# Altium PCB ESP32-SIM800C_Nhut_Hoang.PcbDoc (part 1 of 2)
Units mm, origin at the board's own origin, x right, y up, seen from the top; angles counter-clockwise.
Board outline 157.99 x 100.2 mm, 4 copper layers (Top, POWER, GND, Bottom), stack 0.603 mm thick; 145 components, 93 nets, 480 pads, 241 vias.
Unrouted connection lines stored in the file: 3.
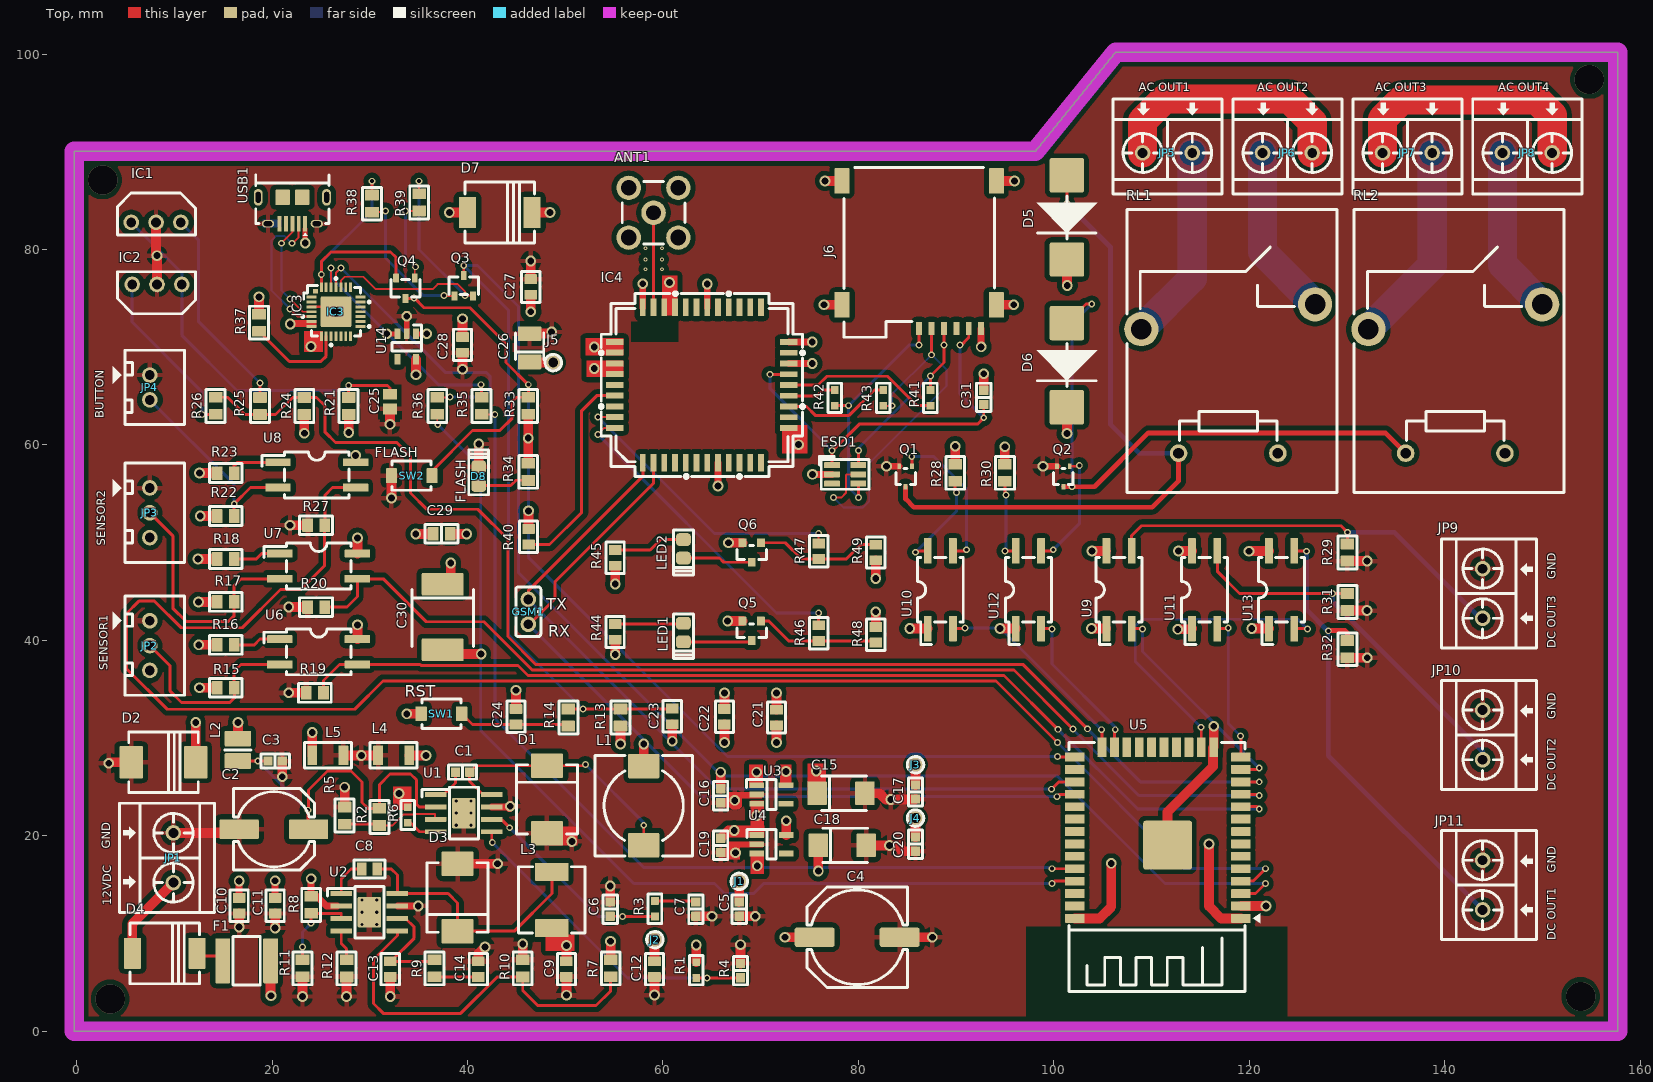
[diagram p0: Top view]
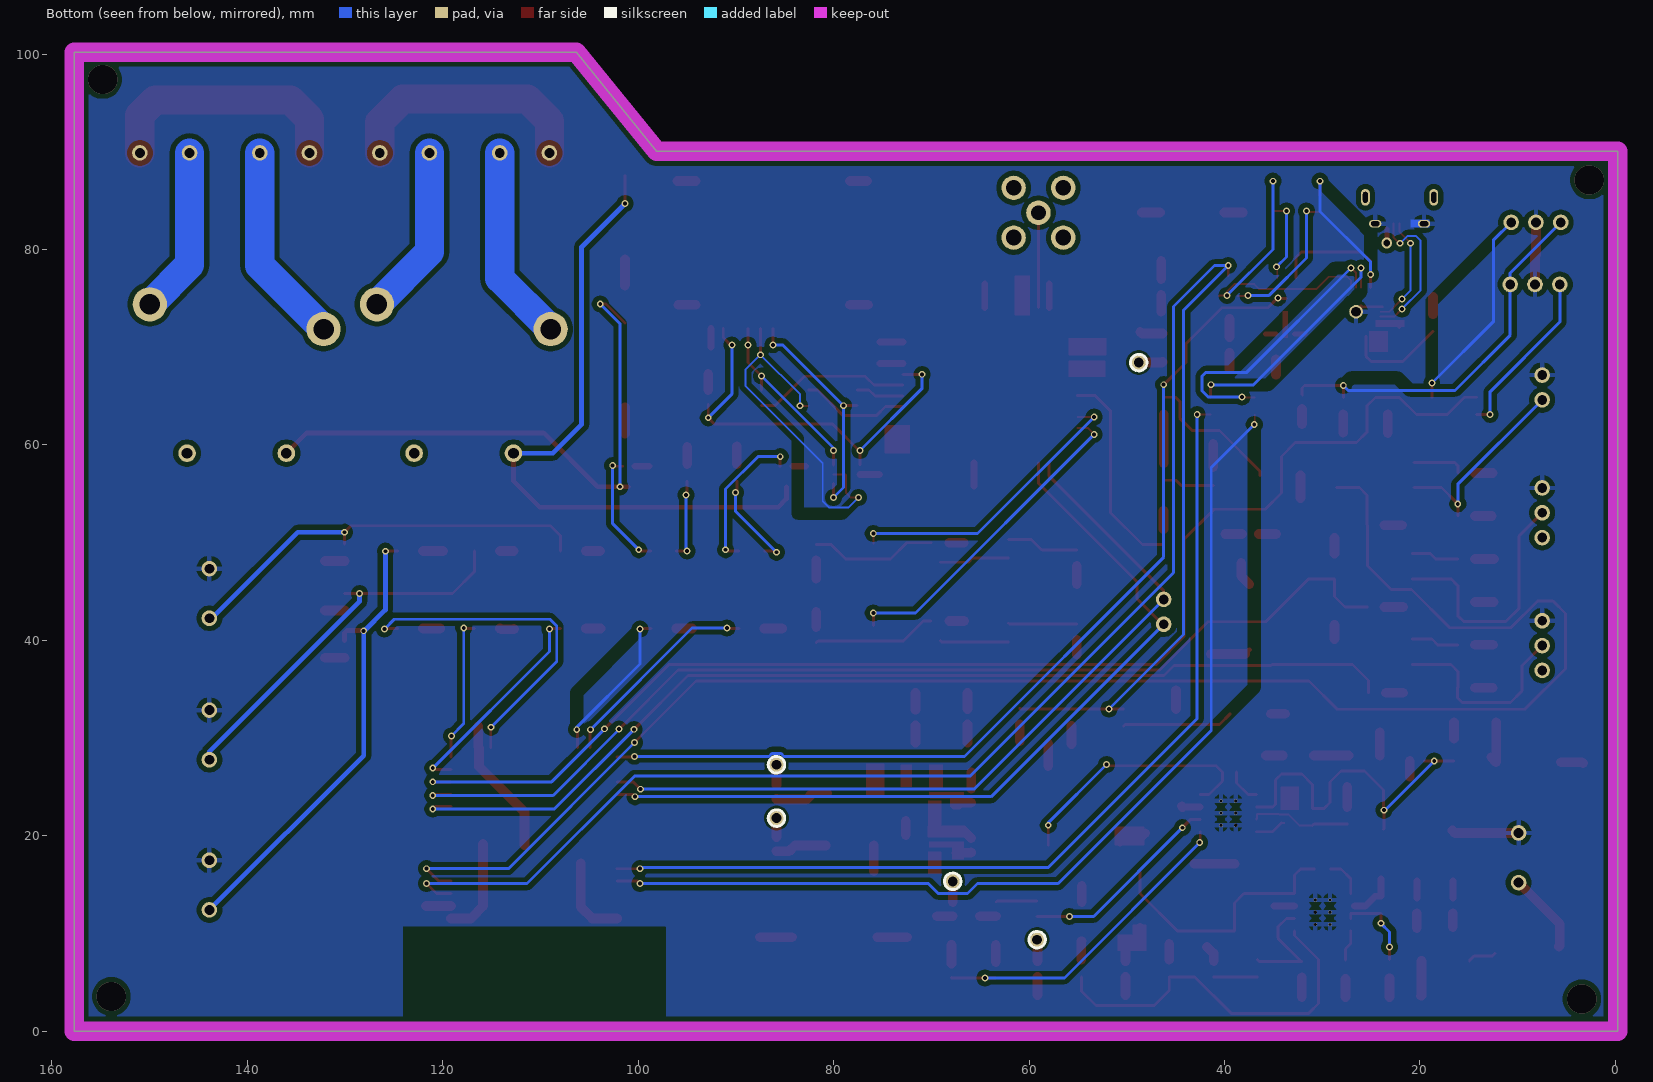
[diagram p1: Bottom view, seen from below]
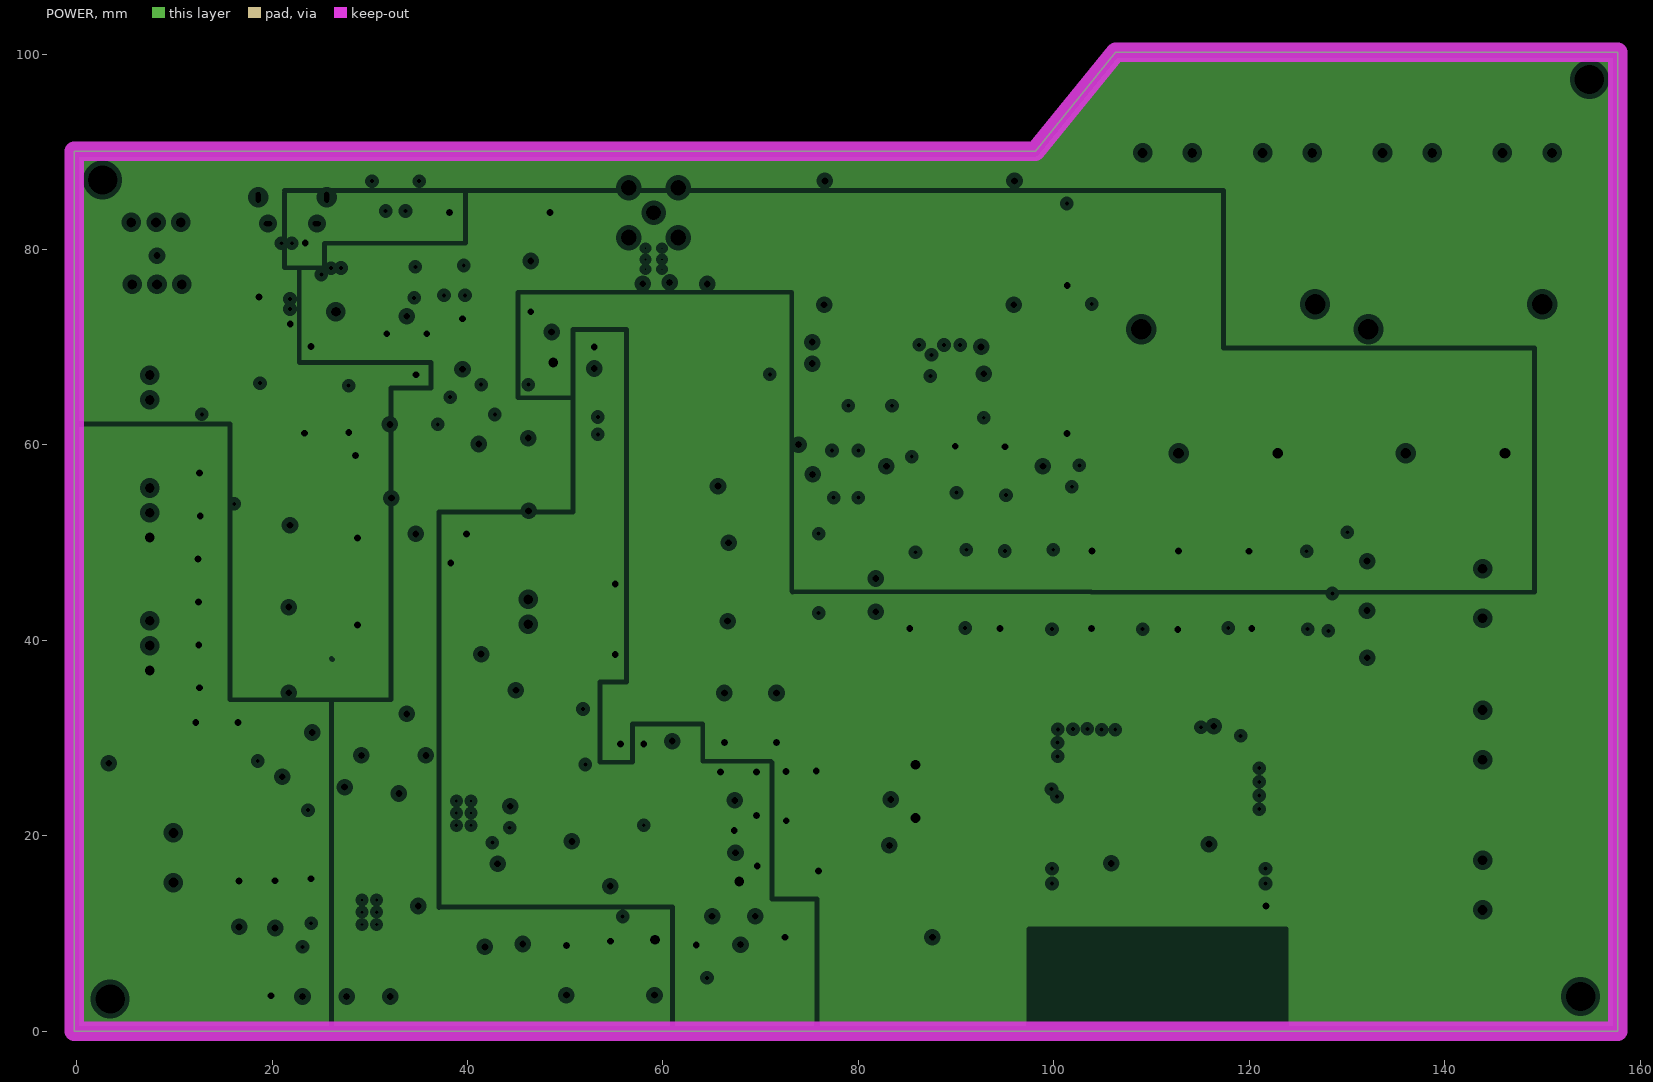
[diagram p2: POWER, clearances drawn from the general rule]
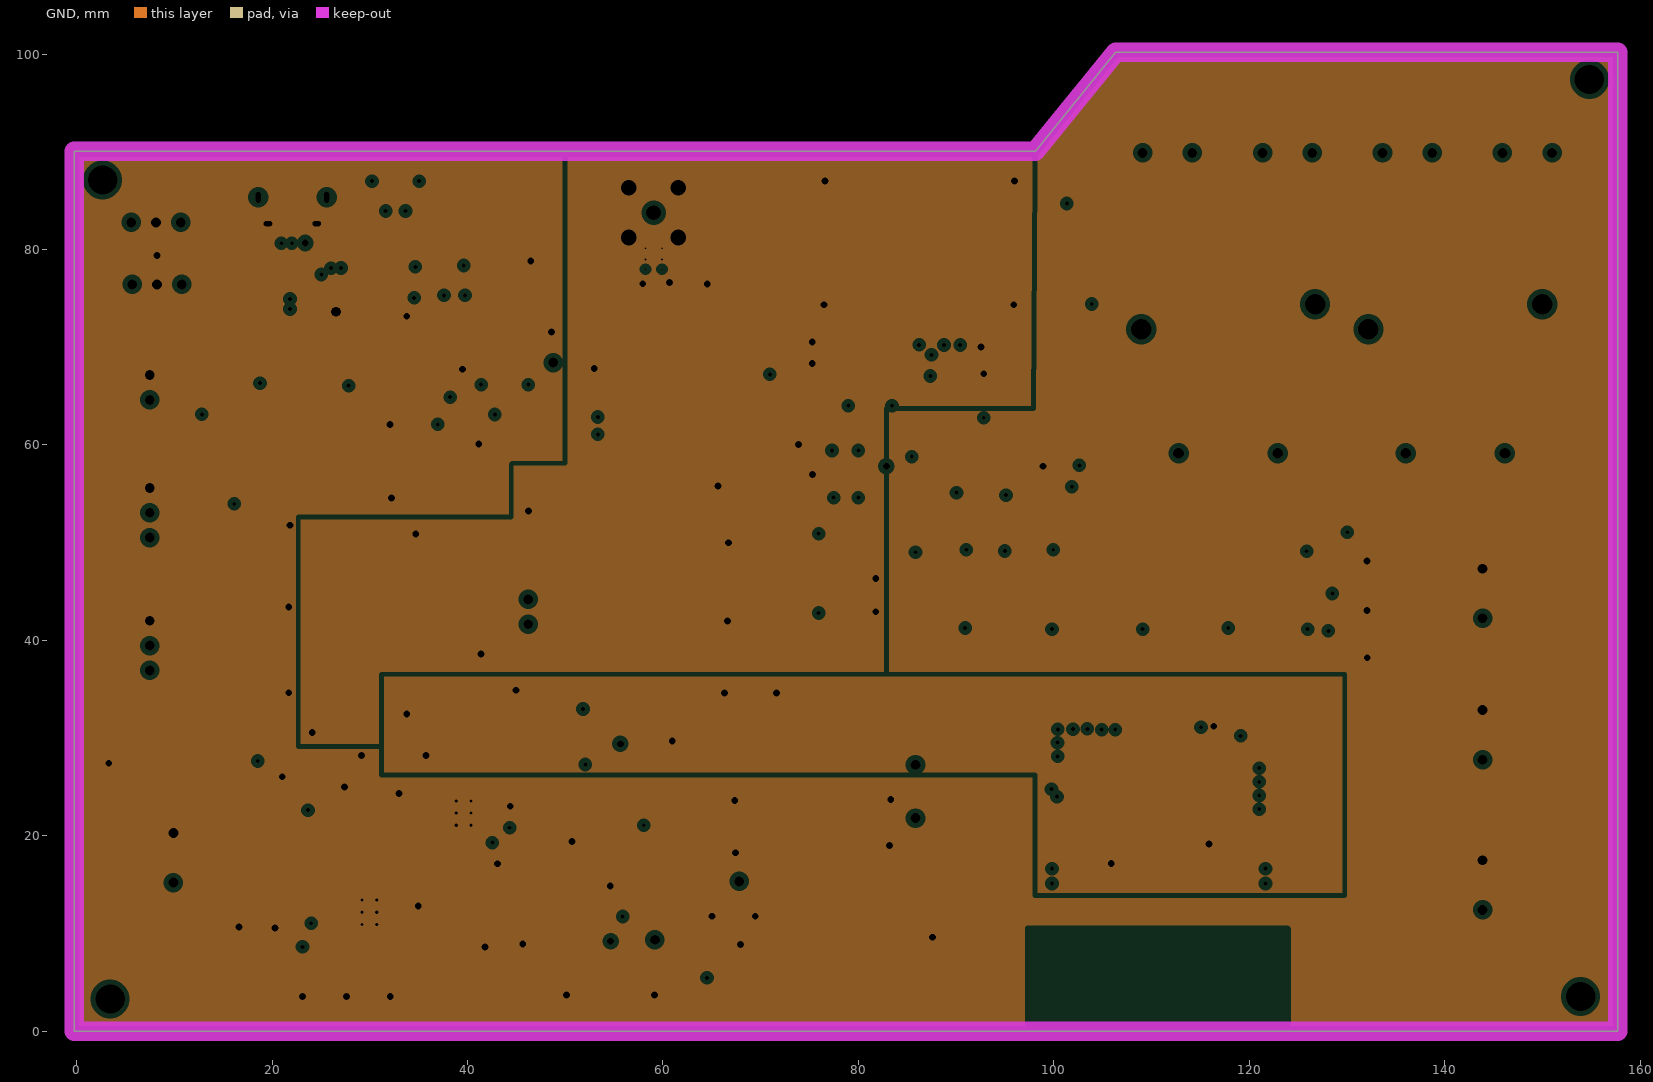
[diagram p3: GND, clearances drawn from the general rule]

## Layer stack, top to bottom
Top Solder: solder mask 0.0102, Solder Resist, Dk 3.5
Top: signal copper 0.035
Dielectric 2: prepreg 0.0711, PP-006, Dk 4.1
POWER: plane copper 0.0356, net (Multiple Nets)
Dielectric 1: dielectric 0.32, FR-4, Dk 4.8
GND: plane copper 0.0356, net (Multiple Nets)
Dielectric 3: prepreg 0.0711, PP-006, Dk 4.1
Bottom: signal copper 0.035
Bottom Solder: solder mask 0.0102, Solder Resist, Dk 3.5

## Board outline
-0.254,0 157.734,0 157.734,100.203 106.337,100.203 98.099,90.043 -0.254,90.043

## Design rules (kind name [scope] priority, off if disabled: settings)
Clearance [All] p1: gap=0.254 ignorepadtopadclearanceinfootprint=FALSE except(0: Arc-Hole Track-Hole SMDPad-Hole THPad-Hole Via-Hole Fill-Hole Poly-Hole Region-Hole Text-Hole; 0.5: Arc-Fill Arc-Poly Arc-Region Track-Fill Track-Poly Track-Region SMDPad-Fill SMDPad-Poly SMDPad-Region THPad-Fill THPad-Poly THPad-Region Via-Fill Via-Poly Via-Region Fill-Fill Fill-Poly Fill-Region Poly-Poly Poly-Region Region-Region)
PlaneClearance [All] p1: clearance=0.5
PlaneConnect [All] p1: planeconnectstyle=Relief reliefexpansion=0.5 reliefentries=4 reliefconductorwidth=0.5 reliefairgap=0.5
PolygonConnect [All] p1: connectstyle=Relief reliefconductorwidth=0.5 reliefentries=4 polygonreliefangle="90 Angle" airgapwidth=0.5
RoutingVias "Via Power" [InNetClass('POWER')] p1: holewidth=0.7 width=1.1 viastyle="Through Hole" minholewidth=0.7 minwidth=1.1 maxholewidth=0.7 maxwidth=1.1
RoutingVias "Via GND" [InNetClass('GND')] p2: holewidth=0.7 width=1.1 viastyle="Through Hole" minholewidth=0.7 minwidth=1.1 maxholewidth=0.7 maxwidth=1.1
RoutingVias "Via signal" [All] p3: holewidth=0.4 width=0.7 viastyle="Through Hole" minholewidth=0.4 minwidth=0.7 maxholewidth=0.4 maxwidth=0.7
SolderMaskExpansion [All] p1: expansion=0.102 istentingtop=FALSE
Width "Width Pow" [InNetClass('POWER')] p1: maxlimit=1.5 minlimit=0.5 preferedwidth=0.7
Width "Width GND" [InNetClass('GND')] p2: maxlimit=1.5 minlimit=0.5 preferedwidth=0.7
Width "Width GND_1" [All] p3: maxlimit=1 minlimit=0.2 preferedwidth=0.3
28 further rules are at their usual default settings.

## Classes and differential pairs
net class GND: DGND PGND SGND
net class POWER: 3.3V_ESP 4.4V 5V 12V USB3V3 VCCUSB
component class Sheet1: L4 L5 L7 L8
component class Designator: C1 C2 C3 C4 C5 C6 C7 C8 C9 C10 C11 C12 C13 C14 C15 C16 C17 C18 C19 C20 C32 D1 D2 D3 D4 F1 J1 J2 J3 J4 JP1 L1 L2 L3 R1 R2 R3 R4 R5 R6 R7 R8 R9 R10 R11 R12 S1 U1 U2 U3 U4

## Components (designator, comment, footprint, x,y, rotation, side; value= is the part's Value field where it differs from the comment)
ANT1 "SMA ANTENNA" ANT-SMA-ST-F 59.045,83.765 r90 top
C1 "0.1uF/50V/C0603/10%" "Cap Ceramic 0603 SMD" 39.497,26.514 r0 top
C2 "100uF/50V/ALU/20%" "CAP ALU CASE F SMD" 20.193,20.672 r180 top
C3 "1uF/50V/C0603/10%" "Cap Ceramic 0603 SMD" 20.32,27.657 r180 top
C4 "330uF/50V/ALU/20% SMD" "CAP ALU CASE G SMD" 79.883,9.623 r0 top
C5 "0.1uF/50V/C0603/10%" "Cap Ceramic 0603 SMD" 67.818,12.494 r90 top
C6 "56pF/50V/C0603/5%" "Cap Ceramic 0603 SMD" 54.61,12.494 r270 top
C7 "10nF/50V/C0603/10%" "Cap Ceramic 0603 SMD" 63.373,12.494 r90 top
C8 "0.1uF/25V" CAP_CERA_C2012(CC0805INCH) 29.972,16.608 r180 top
C9 "47uF/10V" CAP_CERA_C2012(CC0805INCH) 50.124,6.358 r90 top
C10 "2.2uF/50V" CAP_CERA_C2012(CC0805INCH) 16.637,12.849 r90 top
C11 "2.2uF/50V" CAP_CERA_C2012(CC0805INCH) 20.32,12.849 r90 top
C12 "47uF/10V" CAP_CERA_C2012(CC0805INCH) 59.137,6.358 r90 top
C13 "39pF/50V" CAP_CERA_C2012(CC0805INCH) 32.097,6.358 r90 top
C14 "6800pF/25V" CAP_CERA_C2012(CC0805INCH) 41.11,6.358 r270 top
C15 "10uF/25V/TANTA C/10%" "CAP TANT CASE C SMD" 78.232,24.355 r0 top
C16 "0.1uF/50V/C0603/10%" "Cap Ceramic 0603 SMD" 65.913,24.101 r90 top
C17 "0.1uF/50V/C0603/10%" "Cap Ceramic 0603 SMD" 85.852,24.482 r90 top
C18 "10uF/25V/TANTA C/10%" "CAP TANT CASE C SMD" 78.359,19.021 r0 top
C19 "0.1uF/50V/C0603/10%" "Cap Ceramic 0603 SMD" 65.913,19.021 r90 top
C20 "0.1uF/50V/C0603/10%" "Cap Ceramic 0603 SMD" 85.852,19.148 r90 top
C21 "22uF/25V/C0805/10%" CAP_CERA_C2012(CC0805INCH) 71.628,32.102 r270 top
C22 "0.1uF/25V/C0805/10%" CAP_CERA_C2012(CC0805INCH) 66.294,32.191 r270 top
C23 "0.1uF/25V/C0805/10%" CAP_CERA_C2012(CC0805INCH) 60.96,32.229 r90 top
C24 "10uF/25V/C0805/10%" CAP_CERA_C2012(CC0805INCH) 44.958,32.191 r90 top
C25 "Cap Pol1" C0805 32.064,64.428 r270 top value=4.7uF/16V
C26 "10uF/25V/TANTA" "CAP TANT CASE B SMD" 46.355,69.948 r90 top
C27 "0.1uF/25V" CAP_CERA_C2012(CC0805INCH) 46.482,76.171 r270 top
C28 "0.1uF/25V" CAP_CERA_C2012(CC0805INCH) 39.497,70.24 r90 top
C29 "100nF/50V/0805" "Cap Ceramic 0805 SMD" 37.352,50.898 r180 top value=33p
C30 "220uF-Tan" "CAP TANT CASE E SMD" 37.465,42.389 r270 top
C31 "0.1uF/50V/C0603/10%" "Cap Ceramic 0603 SMD" 92.837,64.868 r90 top
D1 "2#B560C-13-F" "2# B560C" 48.133,23.72 r90 top
D2 "29# SMCJ36CA" "29# diode SMCJ36A" 8.892,27.53 r0 top
D3 "B560C-13-F" "2# B560C" 38.989,13.687 r270 top
D4 "SK56L-TP" "30# SK56L-TPMSCT-ND" 9.017,7.972 r0 top
D5 "SSC53L-E3/57T" SSC53L-E3/57T 101.346,83.283 r270 top
D6 "SSC53L-E3/57T" SSC53L-E3/57T 101.346,68.17 r270 top
D7 "SK56L-TP" "30# SK56L-TPMSCT-ND" 43.307,83.791 r0 top
D8 "GREEN 0805" "Led 0805G" 41.148,56.806 r90 top
ESD1 "36# ESDA6V1-5SC6" "36# ESDA6V1-5SC6" 77.51,57.944 r270 top
F1 "MF-SMDF050-2" "13# MF-SMDF050" 17.399,7.21 r0 top
GSM1 "Header 2" Header_2 46.228,42.926 r270 top
IC1 "TSOP1838" TSOP1838 7.963,84.317 r0 top
IC2 "TSOP1838" TSOP1838 8.393,74.883 r180 top
IC3 "CP2102-QFN28" CP2102-QFN28 26.543,73.631 r270 top
IC4 "SIM800C" SIM800C 63.984,66.13 r90 top
J1 "TEST POINT" "TEST POINT 1mm" 67.818,15.338 r0 top
J2 "TEST POINT" "TEST POINT 1mm" 59.182,9.369 r0 top
J3 "TEST POINT" "TEST POINT 1mm" 85.852,27.276 r0 top
J4 "TEST POINT" "TEST POINT 1mm" 85.852,21.815 r0 top
J5 "TEST POINT" "TEST POINT 1mm" 48.784,68.43 r0 top
J6 "Micro SIM Push Connector" "9# SIM holder" 86.233,79.473 r180 top
JP1 "ED2609-ND" DOMINO_OSTTC_2P 9.906,17.751 r90 top value="Connector 2"
JP2 "ED2610-ND" CON3 7.493,39.468 r270 top value="Connector 3"
JP3 "ED2610-ND" CON3 7.493,53.057 r270 top value="Connector 3"
JP4 "ED2609-ND" CON2 7.493,65.884 r270 top value="Connector 2"
JP5 "ED2609-ND" DOMINO_OSTTC_2P 111.633,89.887 r0 top value="Connector 2"
JP6 "ED2609-ND" DOMINO_OSTTC_2P 123.91,89.887 r0 top value="Connector 2"
JP7 "ED2609-ND" DOMINO_OSTTC_2P 136.186,89.887 r0 top value="Connector 2"
JP8 "ED2609-ND" DOMINO_OSTTC_2P 148.463,89.887 r0 top value="Connector 2"
JP9 "ED2609-ND" DOMINO_OSTTC_2P 143.891,44.802 r270 top value="Connector 2"
JP10 "ED2609-ND" DOMINO_OSTTC_2P 143.891,30.324 r270 top value="Connector 2"
JP11 "ED2609-ND" DOMINO_OSTTC_2P 143.891,14.957 r270 top value="Connector 2"
L1 "4#CLF10040T_150M" "4# clf10040XX" 58.039,23.085 r90 top
L2 "11#LQH32PN2R2NN0L" "11# LQH32PN2R2" 16.51,28.8 r270 top
L3 "ASPI-7318-8R2M-TCT-ND" ASPI-7318-8R2M-TCT-ND 48.641,13.433 r270 top
L4 "10uH" "L 2520mm" 33.044,25.332 r180 top value="150 mH"
L5 "10uH" "L 2520mm" 25.113,31.132 r0 top value="150 mH"
LED1 "LED?" "Led 0805R" 62.103,40.804 r270 top
LED2 "LED" "Led 0805R" 62.103,49.374 r270 top
Q1 "MCH3209-TL-E" "MCH3209-TL-E  SOT-323" 84.836,56.769 r180 top
Q2 "MCH3209-TL-E" "MCH3209-TL-E  SOT-323" 100.984,56.769 r180 top
Q3 "DTC143ZKAT146" "6# DTC143ZKAT146-E" 39.624,76.298 r0 top
Q4 "DTC143ZKAT146" "6# DTC143ZKAT146-E" 33.655,76.044 r180 top
Q5 "MMBT222A" MMBT2222A 69.088,40.976 r180 top
Q6 "MMBT222A" MMBT2222A 69.088,48.993 r180 top
R1 "15K/R0603/1%" "Res 0603 SMD" 63.413,6.258 r90 top
R2 "249K/R0805/1%" "Res 0805 SMD" 30.988,21.942 r90 top
R3 "15K/R0603/1%" "Res 0603 SMD" 59.182,12.544 r270 top
R4 "3.3K/R0603/1%" "Cap Ceramic 0603 SMD" 67.945,6.208 r270 top
R5 "34.8K/R0805/1%" "Res 0805 SMD" 27.432,22.069 r270 top
R6 "200K/R0603/1%" "Res 0603 SMD" 33.884,22.13 r90 top
R7 "53.6K" "Res 0805 SMD" 54.66,6.448 r90 top
R8 "523K" "Res 0805 SMD" 24.003,12.939 r90 top
R9 "13K" "Res 0805 SMD" 36.634,6.448 r90 top
R10 "10.2K" "Res 0805 SMD" 45.657,6.433 r270 top
R11 "84.5K" "Res 0805 SMD" 23.114,6.448 r90 top
R12 "162K/R0805" "Res 0805 SMD" 27.631,6.433 r270 top
R13 "10K/R0805/1%" "Res 0805 SMD" 55.656,32.102 r90 top
R14 "0R/R0805/1%" "Res 0805 SMD" 50.322,32.102 r90 top
R15 "10K" "Res 0805 SMD" 15.254,35.15 r180 top
R16 "1K" "Res 0805 SMD" 15.254,39.544 r180 top
R17 "10K" "Res 0805 SMD" 15.254,43.938 r180 top
R18 "1K" "Res 0805 SMD" 15.254,48.333 r180 top
R19 "10K" "Res 0805 SMD" 24.384,34.642 r0 top
R20 "10K" "Res 0805 SMD" 24.511,43.405 r0 top
R21 "330" "Res 0805 SMD" 27.845,63.99 r270 top
R22 "10K" "Res 0805 SMD" 15.254,52.727 r180 top
R23 "1K" "Res 0805 SMD" 15.254,57.121 r180 top
R24 "10K" "Res 0805 SMD" 23.308,63.99 r270 top
R25 "0R" "Res 0805 SMD" 18.771,63.99 r270 top
R26 "0R" "Res 0805 SMD" 14.224,64.005 r90 top
R27 "10K" "Res 0805 SMD" 24.511,51.787 r0 top
R28 "10K" "Res 0805 SMD" 89.916,57.159 r90 top
R29 "10K" "Res 0805 SMD" 130.048,48.993 r90 top
R30 "10K" "Res 0805 SMD" 94.996,57.159 r90 top
R31 "10K" "Res 0805 SMD" 130.048,43.927 r90 top
R32 "10K" "Res 0805 SMD" 130.048,39.101 r90 top
R33 "10K" "Res 0805 SMD" 46.218,64.005 r90 top
R34 "1K" "Res 0805 SMD" 46.228,57.248 r270 top
R35 "1K" "Res 0805 SMD" 41.447,64.005 r90 top
R36 "1K" "Res 0805 SMD" 36.91,64.005 r90 top
R37 "4.7K" "Res 0805 SMD" 18.669,72.502 r270 top
R38 "10K" "Res 0805 SMD" 30.226,84.694 r90 top
R39 "10K" "Res 0805 SMD" 35.052,84.821 r90 top
R40 "10k/0805" RESC2012(0805) 46.258,50.606 r90 top
R41 "51R/R0603/1%" "Res 0603 SMD" 87.376,64.818 r90 top
R42 "51R/R0603/1%" "Res 0603 SMD" 77.597,64.818 r270 top
R43 "51R/R0603/1%" "Res 0603 SMD" 82.55,64.818 r270 top
R44 "R0805" RESC2012(0805) 55.118,40.865 r90 top value=330/0805
R45 "R0805" RESC2012(0805) 55.118,48.447 r90 top value=330/0805
R46 "R0805" RESC2012(0805) 75.946,40.738 r270 top value=4.7k/0805
R47 "R0805" RESC2012(0805) 75.946,49.12 r270 top value=4.7k/0805
R48 "R0805" RESC2012(0805) 81.788,40.573 r90 top value=47k/0805
R49 "R0805" RESC2012(0805) 81.788,48.993 r270 top value=47k/0805
RL1 "Relay T9GV1L14-5 30A 5V" "Relay T9GV1L14-5 30A 5V" 117.856,70.583 r0 top
RL2 "Relay T9GV1L14-5 30A 5V" "Relay T9GV1L14-5 30A 5V" 141.097,70.583 r0 top
SW1 "RST" "Button 3x4mm" 37.338,32.483 r0 top
SW2 "FLASH" "Button 3x4mm" 34.29,56.867 r180 top
U1 "21#TPS54360DDAR" "21# TPS54360" 39.612,22.323 r270 top
U2 "TPS54360DDAR" "21# TPS54360" 29.96,12.183 r270 top
U3 "20#TLV73333PDBVR" "TLV73333PDBVR - SOT23-65" 71.096,24.228 r270 top
U4 "20#TLV73333PDBVR" "TLV73333PDBVR - SOT23-65" 71.12,19.133 r270 top
U5 "ESP-WROOM-32" "ESP32 WROOM" 119.154,11.55 r180 top
U6 "TPC817S1B-SOP4" TPC817-4SOP 24.765,38.833 r0 top
U7 "PC817-SOP4" TPC817-4SOP 24.765,47.596 r0 top
U8 "PC817-SOP4" TPC817-4SOP 24.584,56.93 r0 top
U9 "TPC817S1B-SOP4" TPC817-4SOP 106.68,45.183 r90 top
U10 "TPC817S1B-SOP4" TPC817-4SOP 88.392,45.183 r90 top
U11 "TPC817S1B-SOP4" TPC817-4SOP 115.443,45.183 r90 top
U12 "TPC817S1B-SOP4" TPC817-4SOP 97.409,45.183 r90 top
U13 "TPC817S1B-SOP4" TPC817-4SOP 123.317,45.183 r90 top
U14 "TLV73333PDBVR" "20# TLV73333PDBVR" 33.782,70.075 r180 top
USB1 "USB_Micro" "USB_MICRO_B - Digikey" 23.382,82.644 r180 top
